# Altium PCB IPG.PcbDoc (part 10 of 10)
Units mm, origin at the board's own origin, x right, y up, seen from the top; angles counter-clockwise.
Board outline 69.6 x 90.73 mm, 10 copper layers (TOP, DHOR, DVERT, GND 1, POWER, GND 2, GND 3, AVERT, AHOR, BOT), stack 1.062 mm thick; 727 components, 391 nets, 2009 pads, 3077 vias.
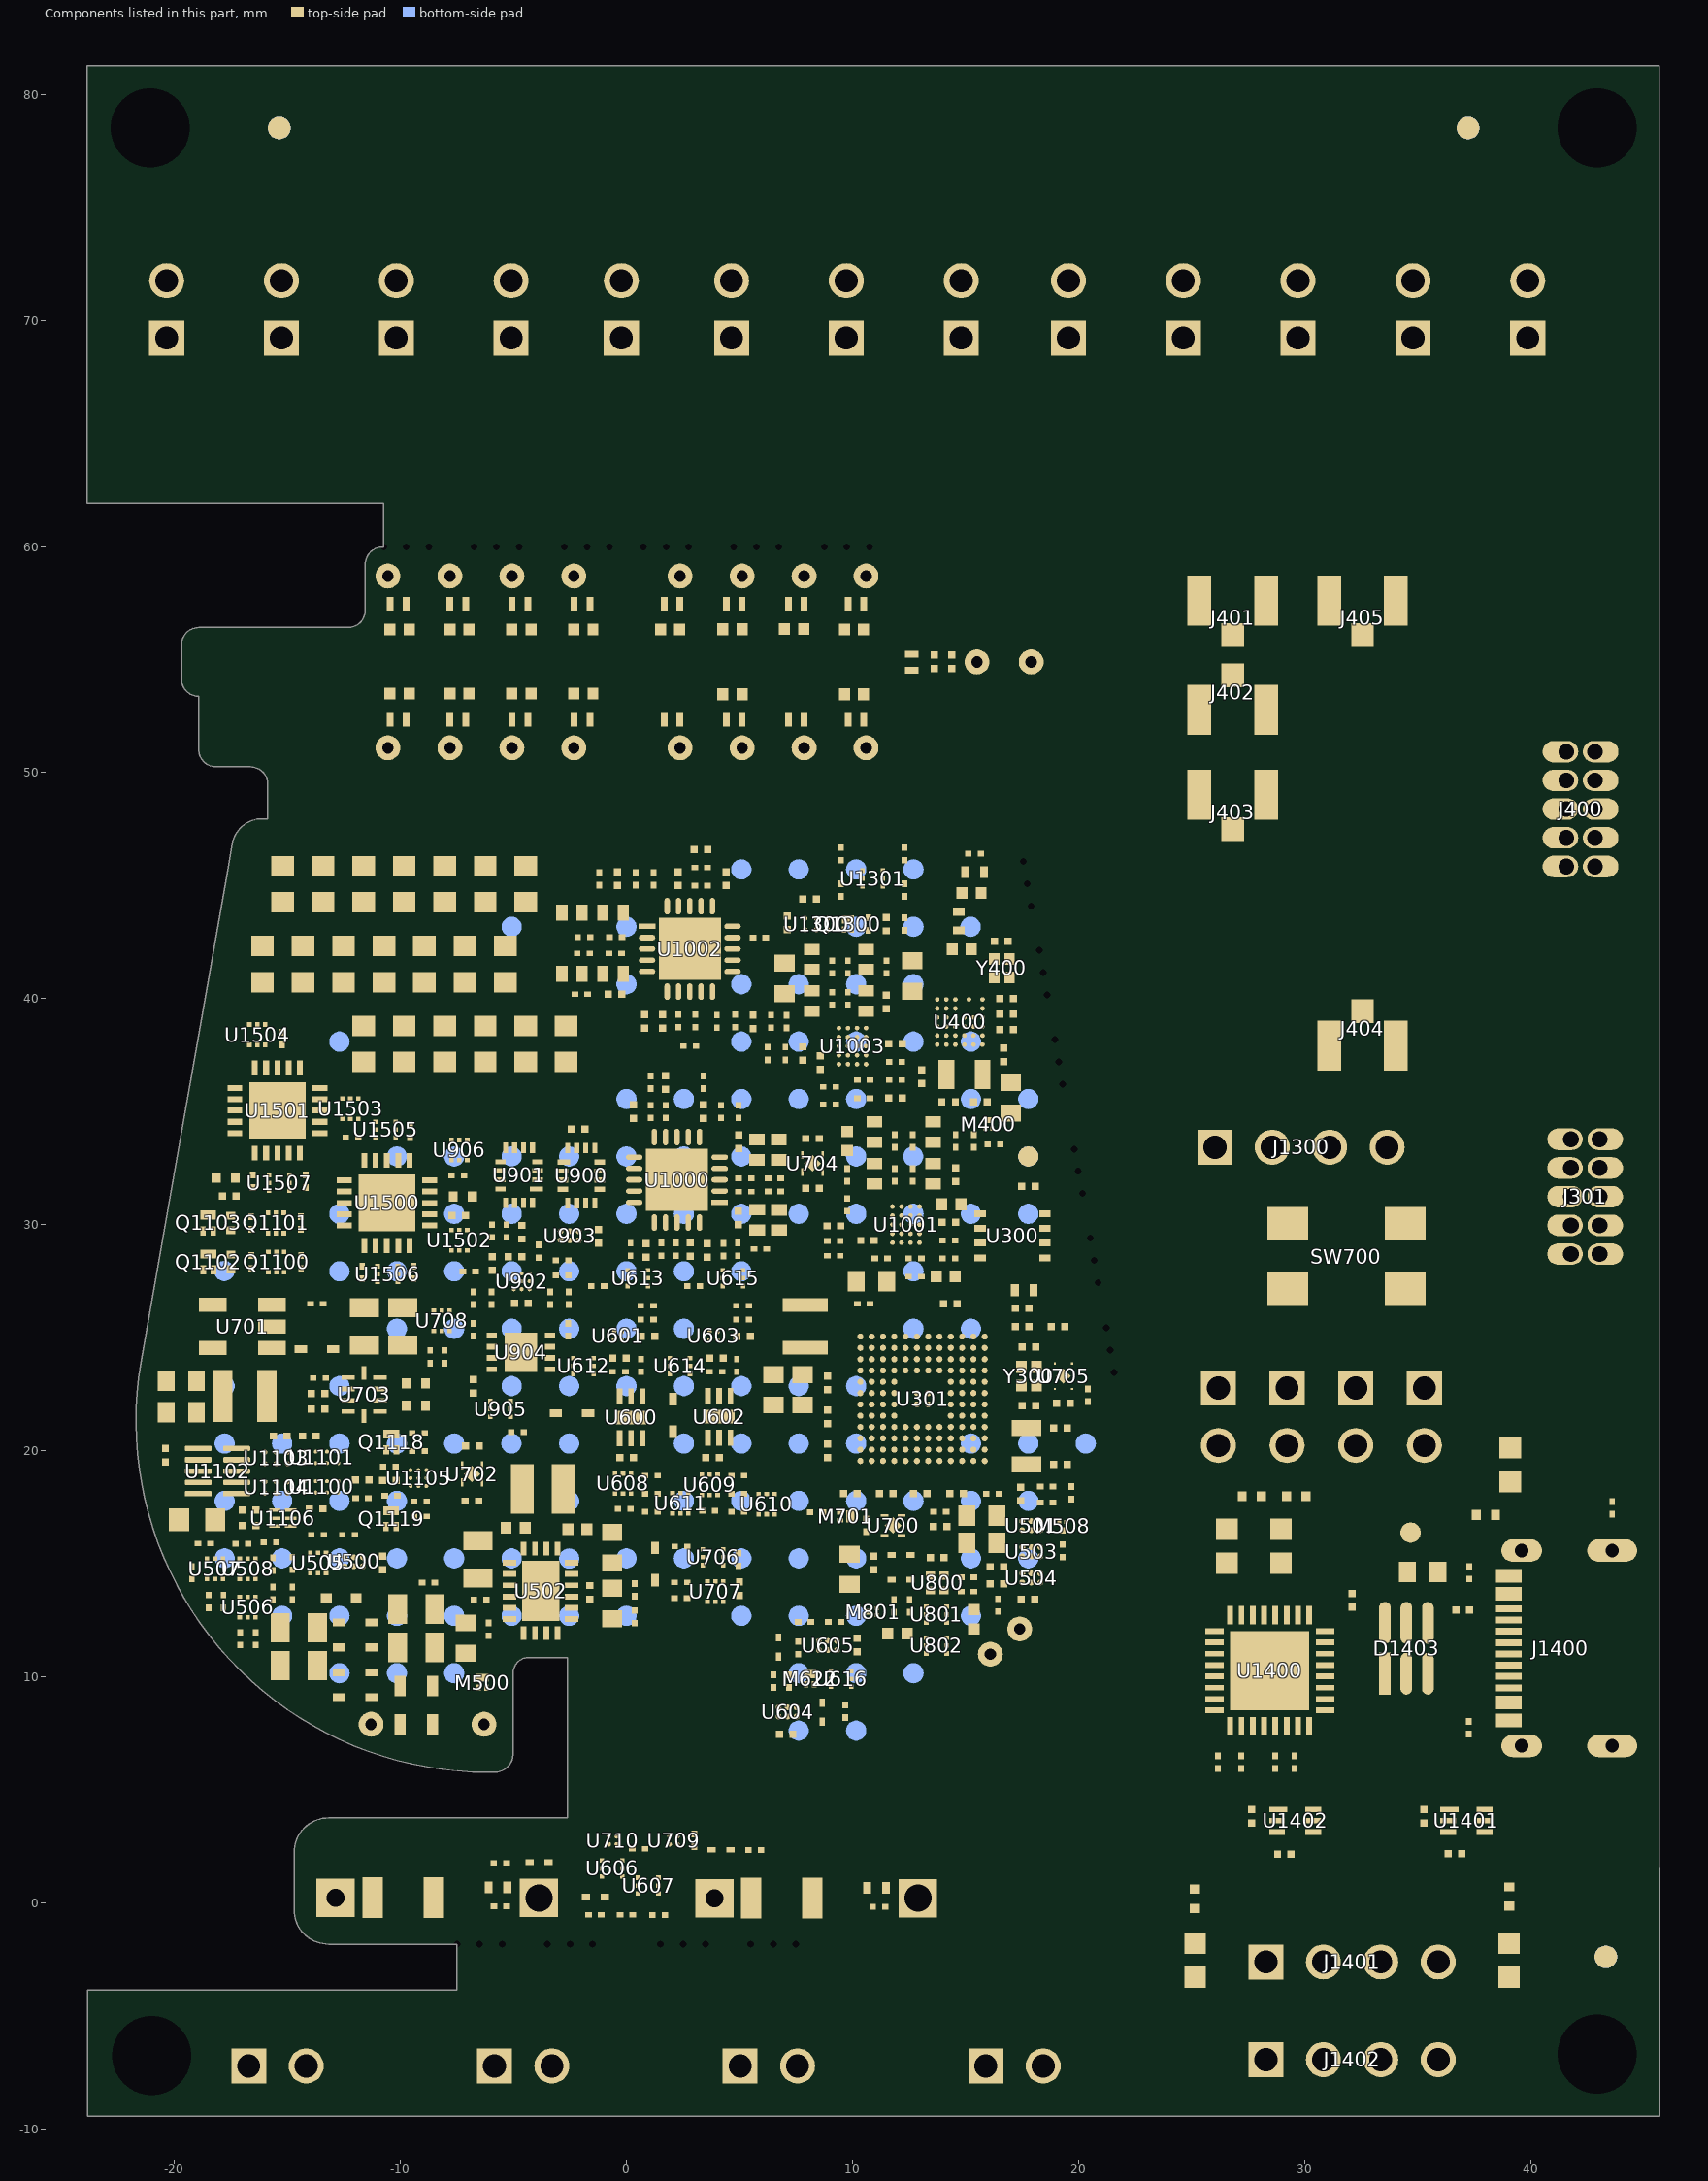
[diagram p18: the components of this part, seen from the top]

## Polygon pours and split planes (outlines as drawn) (continued)
+DVDD on TOP "+DVDD_L01_P304" (solid, pour order 304): 11.895,16.312 12.421,16.838 12.421,17.362 10.082,17.362 10.082,18.364 10.692,18.364 10.692,17.87 11.706,17.87 11.706,18.364 12.243,18.364 12.243,17.87 13.208,17.87 13.208,18.39 13.759,18.39 13.756,17.87 13.335,17.45 13.335,16.814 13.862,16.814 13.862,16.44 14.503,16.44 14.581,16.44 14.581,15.322 13.741,15.767 13.281,15.767 11.895,15.767
+VDDS on TOP "TOP-VDDS" (solid, pour order 298): -20.759,19.9 -20.1,19.9 -20.1,17.9 -18.3,17.9 -18.3,18.3 -19.7,18.3 -19.7,19.9 -18.3,19.9 -18.3,20.315 -20.041,20.315 -20.759,20.315
+HVOUT on TOP "TOP-NetC505_1" (solid, remove dead copper, pour order 272): -13.6,23.8 -8.941,23.8 -8.941,24.308 -8.429,24.308 -8.429,25.472 -9.123,25.472 -9.123,25.1 -13,25.1 -13,26.8 -13.6,26.8 -13.6,25.1
+VDDS on TOP "NONET_L-01_P-001" (solid, pour order 266): -5.842,19.074 -5.842,21.254 -6.833,21.254 -6.833,19.474 -6.433,19.074
+V_UNREG on TOP "NONET_L-01_P-001" (solid, pour order 254): -6.433,18.874 -5.842,18.874 -5.842,16.635 -6.833,16.635 -6.833,18.474
CHG1_VCC on TOP "NONET_L-01_P-001" (solid, pour order 242): -0.14,21 -0.14,18.8 -1.016,18.8 -1.016,21
CHG2_VCC on TOP "NONET_L-01_P-001" (solid, pour order 236): 3.8,21 3.8,20.117 3.607,19.939 3.607,19.406 3.5,19.253 3.5,18.745 2.845,18.745 2.845,21
VCC_CHG on TOP "NONET_L-01_P-001" (solid, pour order 219): -4.8,13.2 -7.95,13.2 -7.95,12.1 -4.8,12.1
+VBAT2F on TOP "NONET_L-01_P-001" (solid, pour order 206): 9.912,-0.862 9.912,1.309 5.817,1.309 5.811,3.179 11.068,3.179 11.068,-0.862
NetC1404_1 on TOP "NONET_L-01_P-001" (solid, remove dead copper, pour order 373): 34.694,-3.251 34.694,3.15 35.662,3.15 35.662,3.353 36.653,3.353 36.653,2.707 36.653,1.295 37.186,1.295 37.186,-3.251
NetC1406_2 on TOP "NONET_L-01_P-001" (solid, remove dead copper, pour order 372): 26.543,-3.251 26.543,3.15 28.118,3.15 28.118,3.353 29.108,3.353 29.108,2.707 29.108,-0.889 29.642,-0.889 29.642,-3.251
+VBUS on TOP "NONET_L-01_P-001" (solid, remove dead copper, pour order 371): 26.518,3.988 26.518,5.639 32.588,5.639 32.588,8.636 36.551,8.636 36.551,5.639 38.659,5.639 38.659,3.988
SW1_VCHG on TOP "NONET_L-01_P-001" (solid, pour order 339): -4.75,17.043 -4.742,15.257 -4.318,15.265 -4.318,16.104 -3.962,16.103 -3.962,17.043 -3.962,19.558 -5.258,19.558 -5.258,17.043
SW2_VCHG on TOP "NONET_L-01_P-001" (solid, pour order 338): -1.981,14.718 -2.722,14.718 -2.727,14.425 -1.448,14.425 -1.448,19.558 -3.454,19.558 -3.456,17.163 -2.083,17.163 -2.083,16.154 -1.981,16.154
BST2_VCHG on TOP "NONET_L-01_P-001" (solid, pour order 337): -2.788,14.935 -2.1,14.925 -2.125,15.175 -2.235,15.347 -2.235,16.967 -2.957,16.967 -2.957,16.154 -2.788,15.99
BST1_VCHG on TOP "NONET_L-01_P-001" (solid, pour order 336): -4.875,14.925 -4.875,16.967 -5.683,16.967 -5.683,15.94 -5.436,14.925
NetD700_2 on TOP "NONET_L-01_P-001" (solid, pour order 196): -16.9,21.178 -16.9,25.044 -14,25.044 -14,23.978 -15.2,23.978 -15.2,21.178
+V_UNREG on TOP "NONET_L-01_P-001" (solid, pour order 220): -1.295,3.48 2.041,3.48 2.041,2.769 -1.295,2.769
+HVIN on TOP "NONET_L-01_P-001" (solid, pour order 188): -17.1,25.044 -19.4,25.044 -19.4,21.178 -17.1,21.178
GND on AHOR "NONET_L-01_P-001" (solid, remove dead copper, pour order 381): 25.044,8.077 25.044,14.362 42.57,14.362 42.57,8.077
+VDDA on POWER "NONET_L-01_P-001" (solid, remove dead copper, pour order 356): 5.258,25.341 5.258,28.854 6.071,28.854 6.071,31.699 9.246,31.699 9.246,30.48 7.772,30.48 7.772,27.813 13.802,27.813 13.802,32.004 12.465,32.004 12.465,42.545 6.375,42.545 6.375,47.625 -0.445,47.625 -0.445,25.341
+DVDD on POWER "NONET_L-01_P-001" (solid, remove dead copper, pour order 359): 14.08,47.626 14.08,46.111 17.043,46.111 21.092,23.26 22.149,23.26 22.149,12.751 19.202,12.751 19.202,5.004 4.166,5.004 4.166,11.19 -4.267,11.19 -4.267,5.156 -21.565,5.156 -21.565,16.476 -3.277,16.476 -3.277,14.326 7.851,14.326 7.851,27.813 13.802,27.813 13.802,32.004 12.465,32.004 12.465,42.545 6.375,42.545 6.375,47.626
+VDDS on POWER "NONET_L-01_P-001" (solid, remove dead copper, pour order 352): -21.648,16.561 -21.648,21.263 -21.63,21.27 -5.726,21.27 -5.69,21.234 -5.69,18.085 -5.726,18.048 -7.291,18.048 -7.291,16.561 -7.352,16.561
+VIMP_PP on POWER "NONET_L-01_P-001" (solid, remove dead copper, pour order 355): -8.741,33.848 -8.741,47.626 -0.445,47.626 -0.445,29.466 -7.002,29.466 -7.002,29.312 -6.895,29.312 -6.895,33.848
+VCHG_RAIL on POWER "NONET_L-01_P-001" (solid, remove dead copper, pour order 351): 0.76,17.3 0.76,20.095 -3.785,20.095 -3.785,25.258 5.174,25.258 5.205,25.228 5.205,16.228 5.12,16.143 4.612,16.143 4.594,16.151 3.618,17.127 3.616,17.128 3.487,17.258
+V_UNREG on POWER "NONET_L-01_P-001" (solid, remove dead copper, pour order 348): -3.192,14.411 -3.192,16.587 -7.137,16.587 -7.137,17.882 -1.219,17.882 -1.219,15.581 4.256,15.581 5.241,16.681 5.258,28.854 6.071,28.854 6.071,31.699 9.246,31.699 9.246,30.48 7.769,30.48 7.769,14.411
+HVIN on POWER "NONET_L-01_P-001" (solid, remove dead copper, pour order 350): -5.588,18.059 -1.041,18.059 -1.041,15.672 4.612,15.672 4.612,16.114 3.52,17.206 0.675,17.206 0.675,20.015 -3.886,20.015 -3.886,23.159 -7.211,23.159 -7.211,25.044 -22.327,25.044 -22.327,21.366 -5.588,21.366
GND on POWER "|" (solid, pour order 397): -17.145,46.609 -17.145,47.625 -14.605,47.625 -14.605,46.609 -15.469,46.609
GND on POWER "GNDFlexBLE" (hatched 45Degree grid 0.508 track 0.203, pour order 393): 14.275,47.626 14.275,53.721 18.999,53.721 18.999,47.626 14.656,47.626
GND on POWER "|" (solid, pour order 394): 14.199,53.721 14.199,56.54 20.066,56.54 20.066,53.721 14.503,53.721
GND on POWER "|" (solid, pour order 392): 14.1,47.955 17.043,47.955 17.043,46.101 14.1,46.101
+VIMP_3V3 on POWER "NONET_L-01_P-001" (solid, remove dead copper, pour order 354): -7.14,23.211 -7.14,25.038 -6.894,25.038 -6.894,29.373 -0.445,29.373 -0.445,25.324 -3.682,25.324 -3.861,25.146 -3.861,23.211
+VPP on POWER "NONET_L-01_P-001" (solid, remove dead copper, pour order 353): -17.145,47.625 -17.145,46.609 -14.605,46.609 -14.605,47.625 -8.839,47.625 -8.839,33.757 -7.002,33.757 -7.002,25.124 -21.832,25.124 -21.882,25.175 -21.882,47.625
GND on DVERT "|" (solid, pour order 396): 15.505,56.769 20.142,56.769 20.142,53.442 15.505,53.442
ENCL on DVERT "ENCL_L03_P367" (solid, pour order 367): -16.593,59.497 15.505,59.497 15.505,49.767 -18.045,49.767 -19.22,50.941 -19.22,56.869
GND on GND 3 "NONET_L-01_P-001" (solid, remove dead copper, pour order 378): -21.565,5.156 -4.42,5.156 -4.42,11.227 5.004,11.227 5.004,5.004 19.202,5.004 19.202,12.751 22.149,12.751 22.149,23.26 21.092,23.26 17.043,46.111 17.043,47.626 -21.565,47.626 -21.565,16.535
GND on GND 3 "NONET_L-01_P-001" (solid, remove dead copper, pour order 364): -14.529,-1.295 -14.529,3.234 14.529,3.234 14.529,-1.295
GND on GND 3 "NONET_L-01_P-001" (solid, remove dead copper, pour order 376): -23.876,-9.449 -23.876,-4.183 24.154,-4.183 24.154,61.9 -23.876,61.9 -23.902,61.925 -23.902,81.28 -23.876,81.305 45.72,81.305 45.745,81.28 45.745,-9.449 45.72,-9.474
GND on GND 3 "GND_L07_P322" (solid, pour order 322): 14.233,53.721 14.233,56.09 19.355,56.09 19.355,53.721
GND on GND 3 "GND_L07_P321" (solid, pour order 321): 16.256,45.237 14.529,45.237 14.376,45.39 14.376,47.193 14.684,47.501 16.126,47.501 16.408,47.219 16.408,45.39
GND on GND 2 "NONET_L-01_P-001" (solid, remove dead copper, pour order 386): -21.565,5.156 -4.42,5.156 -4.42,11.227 5.004,11.227 5.004,5.004 19.202,5.004 19.202,12.751 22.149,12.751 22.149,23.26 21.092,23.26 17.043,46.111 17.043,47.626 -21.565,47.626 -21.565,16.535
GND on GND 2 "NONET_L-01_P-001" (solid, remove dead copper, pour order 369): -19.355,53.705 -12.319,53.705 -12.319,49.624 -11.971,49.276 11.455,49.276 12.319,50.14 12.319,53.705 20.218,53.705 20.218,59.512 20.193,59.538 -19.329,59.538 -19.355,59.512
GND on GND 2 "NONET_L-01_P-001" (solid, remove dead copper, pour order 384): -14.529,-1.295 -14.529,3.234 14.529,3.234 14.529,-1.295
GND on GND 2 "NONET_L-01_P-001" (solid, remove dead copper, pour order 385): -23.876,-9.449 -23.876,-4.183 24.154,-4.183 24.154,61.9 -23.876,61.9 -23.902,61.925 -23.902,81.28 -23.876,81.305 45.72,81.305 45.745,81.28 45.745,-9.449 45.72,-9.474
GND on BOT "NONET_L-01_P-001" (solid, remove dead copper, pour order 379): -21.565,5.156 -4.42,5.156 -4.42,11.227 5.004,11.227 5.004,5.004 19.202,5.004 19.202,12.751 22.149,12.751 22.149,23.26 21.092,23.26 17.043,46.111 17.043,47.626 -21.565,47.626 -21.565,16.535
GND on BOT "NONET_L-01_P-001" (solid, remove dead copper, pour order 390): -15.57,-1.27 -15.57,3.2 15.596,3.2 15.596,-1.27
GND on BOT "GND_L10_P380" (solid, remove dead copper, pour order 380): -16.68,59.493 17.819,59.493 19.202,58.11 19.202,51.117 17.893,49.808 -18.088,49.808 -19.68,51.399 -19.68,56.493
GND on BOT "NONET_L-01_P-001" (solid, remove dead copper, pour order 375): -23.876,-9.449 -23.876,-3.852 -23.851,-3.826 24.154,-3.826 24.154,61.9 -23.876,61.9 -23.902,61.925 -23.902,81.28 -23.876,81.305 45.72,81.305 45.745,81.28 45.745,-9.449 45.72,-9.474
GND on DHOR "|" (solid, pour order 395): 15.505,56.769 20.142,56.769 20.142,53.442 15.505,53.442
GND on DHOR "GND_L02_P391" (solid, remove dead copper, pour order 391): 23.853,46.071 18.051,46.071 18.398,44.104 23.853,44.104 23.853,35.783 35.208,35.783 35.203,59.537 23.853,59.537
GND on DHOR "GND_L02_P310" (solid, remove dead copper, pour order 310): 14.072,39.167 14.658,38.58 16.656,38.58 17.438,39.363 17.437,46.535 16.829,47.142 14.656,47.142 14.072,46.558
GND on DHOR "NONET_L-01_P-001" (solid, remove dead copper, pour order 382): 25.044,8.077 25.044,14.362 42.57,14.362 42.57,8.077
DEFIB_COMMON on DHOR "|" (solid, pour order 368): 10.871,56.226 13.469,56.226 13.469,53.644 10.871,53.644 10.871,52.12 -10.408,52.12 -10.402,57.785 10.871,57.785
GND on GND 1 "NONET_L-01_P-001" (solid, remove dead copper, pour order 389): -21.565,5.156 -4.42,5.156 -4.42,11.227 5.004,11.227 5.004,5.004 19.202,5.004 19.202,12.751 22.149,12.751 22.149,23.26 21.092,23.26 17.043,46.111 17.043,47.626 -21.565,47.626 -21.565,16.535
GND on GND 1 "NONET_L-01_P-001" (solid, remove dead copper, pour order 387): -14.529,-1.295 -14.529,3.234 14.529,3.234 14.529,-1.295
GND on GND 1 "NONET_L-01_P-001" (solid, remove dead copper, pour order 388): -23.876,-9.449 -23.876,-4.183 24.154,-4.183 24.154,61.9 -23.876,61.9 -23.902,61.925 -23.902,81.28 -23.876,81.305 45.72,81.305 45.745,81.28 45.745,-9.449 45.72,-9.474

## Keep-outs
Keep-Out Layer:
  lines w0.8: -10.75,59.98 -8.75,59.98 ; -7.5,-1.826 -5.5,-1.826 ; -6.75,59.98 -4.75,59.98 ; -3.5,-1.824 -1.5,-1.824 ; -2.75,59.982 -0.75,59.982 ; 0.75,59.98 2.75,59.98 ; 1.5,-1.826 3.5,-1.826 ; 4.75,59.977 6.75,59.977 ; 5.5,-1.829 7.5,-1.829 ; 8.747,59.98 10.747,59.98 ; 17.566,46.075 17.912,44.104 ; 18.272,42.141 18.619,40.17 ; 18.96,38.195 19.306,36.225 ; 19.822,33.349 20.168,31.379 ; 20.513,29.413 20.859,27.442 ; 21.23,25.439 21.429,24.308 21.482,24.009 21.577,23.468

## Silkscreen, mask and mechanical layers (free items; w line width, h text height)
Top Overlay:
  region: 42.494,37.516 43.192,38.214 43.89,37.516
  region: 42.609,20.724 43.307,21.422 44.005,20.724
  lines w0.05: 5.563,35.484 5.563,36.017 ; 42.494,37.516 43.89,37.516 43.192,38.214 42.494,37.516 ; 42.609,20.724 43.307,21.422 44.005,20.724 42.609,20.724
  lines w0.1: 24.486,50.952 29.134,50.952 29.134,59.436 24.486,59.436 24.486,50.952 ; 30.251,36.119 34.9,36.119 34.9,59.436 30.251,59.436 30.251,36.119
  lines w0.127: 42.291,38.386 42.285,39.394 42.291,40.402 42.285,41.417 42.285,42.419 42.285,43.427 ; 42.342,21.619 42.335,22.627 42.342,23.636 42.335,24.65 42.335,25.652 42.335,26.661 ; 44.018,39.394 40.564,39.394 ; 44.018,40.402 40.564,40.402 ; 44.018,41.411 40.564,41.423 ; 44.018,42.419 40.564,42.419 ; 44.069,22.627 40.615,22.627 ; 44.069,23.636 40.615,23.636 ; 44.069,24.644 40.615,24.657 ; 44.069,25.652 40.615,25.652 ; 40.564,39.394 40.564,38.386 44.018,38.386 44.018,39.414 44.018,40.506 44.018,41.408 44.018,42.386 44.018,43.427 42.285,43.427 ; 40.564,39.394 40.564,40.402 ; 40.564,40.402 40.564,41.423 ; 40.564,41.423 40.564,42.419 ; 40.564,42.419 40.564,43.427 42.285,43.427 ; 40.615,22.627 40.615,23.636 ; 40.615,22.627 40.615,21.619 44.069,21.619 44.069,22.647 44.069,23.74 44.069,24.641 44.069,25.619 44.069,26.661 42.335,26.661 ; 40.615,23.636 40.615,24.657 ; 40.615,24.657 40.615,25.652 ; 40.615,25.652 40.615,26.661 42.335,26.661
  lines w0.18: 24.257,46.406 24.257,59.69 35.204,59.69 35.204,35.865 29.972,35.865 29.972,36.576 29.972,38.837 29.972,43.866 29.972,45.517 29.972,45.796 29.972,46.406 24.257,46.406
  lines w0.25: 36.305,45.942 36.305,51.346 38.845,51.346 38.845,45.942 36.305,45.942 ; 36.533,28.997 36.533,34.077 39.073,34.077 39.073,28.997 36.533,28.997
  text "HORNET-IPG - Ver .VerMay..VerMin Rev .Rev" at -9.093,78.156 h1.52
  text "SN:.VerMay..VerMin..Rev-" at -11.628,75.616 h1.52
  text "CH1" at -21.628,65.782 h1.1
  text "CH2" at -16.732,65.782 h1.1
  text "CH3" at -11.652,65.782 h1.1
  text "CH4" at -6.572,65.782 h1.1
  text "CH5" at -1.492,65.782 h1.1
  text "CH6" at 3.182,65.782 h1.1
  text "CH9" at 8.262,65.782 h1.1
  text "CH10" at 12.884,65.782 h1.1
  text "CH13" at 17.634,65.782 h1.1
  text "CH14" at 22.714,65.782 h1.1
  text "CH15" at 27.783,65.782 h1.1
  text "CH16" at 32.874,65.782 h1.1
  text "ENCL" at 37.862,65.782 h1.1
  text "STIM1" at -22.197,64.307 h0.89
  text "STIM2" at -17.265,64.307 h0.89
  text "STIM3" at -12.185,64.307 h0.89
  text "STIM4" at -7.105,64.307 h0.89
  text "ENG+" at -1.655,64.307 h0.89
  text "ENG-" at 3.019,64.307 h0.89
  text "HR+" at 8.543,64.307 h0.89
  text "HR-" at 13.623,64.307 h0.89
  text "SCL" at 18.373,64.307 h0.89
  text "ACC" at 23.453,64.307 h0.89
  text "SDA" at 28.522,64.307 h0.89
  text "GND" at 33.613,64.307 h0.89
  text "RF" at 35.89,57.865 h1.27
  text "TESTING" at 35.89,56.109 h1.27
  text "JTAG" at 39.98,51.969 h1.27
  text "BLE" at 38.539,46.248 h1.52 r90
  text "RST" at 41.038,42.754 h0.33
  text "GND" at 42.74,42.754 h0.33
  text "NC" at 42.88,41.789 h0.33
  text "NC" at 41.178,41.764 h0.33
  text "NC" at 41.178,40.773 h0.33
  text "GND" at 42.714,40.773 h0.33
  text "CLK" at 40.987,39.757 h0.33
  text "GND" at 42.714,39.732 h0.33
  text "SWDIO" at 40.685,38.741 h0.33
  text "VDD" at 42.714,38.716 h0.33
  text "I2C" at 25.476,36.173 h1.27
  text "JTAG" at 39.9,35.255 h1.27
  text "SCL" at 25.398,35.155 h0.44
  text "SDA" at 27.938,35.155 h0.44
  text "VDD" at 30.478,35.155 h0.44
  text "GND" at 33.018,35.155 h0.44
  text "MCU" at 38.565,29.506 h1.52 r90
  text "MCU / RESET" at 26.786,26.174 h1.02 r90
  text "RST" at 41.089,25.988 h0.33
  text "GND" at 42.791,25.988 h0.33
  text "NC" at 42.93,25.022 h0.33
  text "NC" at 41.229,24.997 h0.33
  text "MCU UART" at 24.817,24.726 h0.76
  text "BLE UART" at 31.141,24.726 h0.76
  text "SWO" at 41.063,24.006 h0.33
  text "GND" at 42.765,24.006 h0.33
  text "CLK" at 41.038,22.99 h0.33
  text "GND" at 42.765,22.965 h0.33
  text "SWDIO" at 40.735,21.974 h0.33
  text "VDD" at 42.765,21.949 h0.33
  text "VBUS" at 35.636,15.799 h0.6
  text "-" at 4.243,2.1 h1.2 r180
  text "TOP" at 40.691,1.549 h1.52
  text "+" at 12.495,1.145 h1.2
  text "+" at -2.669,1.068 h1.2
  text "-" at -13.311,0.9 h1.2
  text "VBAT1R" at 28.245,-0.914 h0.51
  text "VBAT2R" at 33.452,-0.914 h0.51
  text "GND CONNECTOR" at 26.926,-5.207 h0.76
  text "VRECT" at -19.024,-5.321 h0.76
  text "GND" at -14.681,-5.321 h0.76
  text "VBAT1R" at -9.283,-5.321 h0.76
  text "GND" at -3.81,-5.321 h0.76
  text "VBAT2R" at 1.321,-5.321 h0.76
  text "GND" at 7.062,-5.321 h0.76
  text "VCHG_RAIL" at 11.317,-5.321 h0.76
  text "GND" at 18.568,-5.321 h0.76
Bottom Overlay:
  text "HORNET-IPG" at 4.723,55.147 h1
  text "Ver .VerMay..VerMin Rev .Rev" at 6.722,53.98 h1
  text "BOTTOM" at 39.546,-0.533 h1.52
M2_RigidBoard:
  circle w0.013: c15.505,54.897 r0.268
  circle w0.013: c7.855,51.097 r0.268
  circle w0.013: c2.355,58.697 r0.268
  circle w0.013: c7.855,58.697 r0.268
  circle w0.013: c5.105,58.697 r0.268
  circle w0.013: c-10.595,51.097 r0.268
  circle w0.013: c-2.345,51.097 r0.268
  circle w0.013: c-5.095,51.097 r0.268
  circle w0.013: c-7.845,51.097 r0.268
  circle w0.013: c2.355,51.097 r0.268
  circle w0.013: c5.105,51.097 r0.268
  circle w0.013: c-2.345,58.697 r0.268
  circle w0.013: c-5.095,58.697 r0.268
  circle w0.013: c-7.845,58.697 r0.268
  circle w0.013: c-10.595,58.697 r0.268
  circle w0.013: c17.905,54.897 r0.268
  circle w0.013: c10.605,58.697 r0.268
  circle w0.013: c10.605,51.097 r0.268
  circle w0.013: c7.855,51.097 r0.268
  circle w0.013: c2.355,58.697 r0.268
  circle w0.013: c7.855,58.697 r0.268
  circle w0.013: c5.105,58.697 r0.268
  circle w0.013: c-10.595,51.097 r0.268
  circle w0.013: c-2.345,51.097 r0.268
  circle w0.013: c-5.095,51.097 r0.268
  circle w0.013: c-7.845,51.097 r0.268
  circle w0.013: c2.355,51.097 r0.268
  circle w0.013: c5.105,51.097 r0.268
  circle w0.013: c-2.345,58.697 r0.268
  circle w0.013: c-5.095,58.697 r0.268
  circle w0.013: c-7.845,58.697 r0.268
  circle w0.013: c-10.595,58.697 r0.268
  circle w0.013: c17.905,54.897 r0.268
  circle w0.013: c10.605,58.697 r0.268
  circle w0.013: c10.605,51.097 r0.268
  circle w0.013: c15.505,54.897 r0.268
  circle w0.127: c12.879,0.221 r0.303
  circle w0.127: c-3.875,0.221 r0.456
  circle w0.127: c-12.879,0.221 r0.303
  circle w0.127: c-12.879,0.221 r0.303
  circle w0.127: c-3.875,0.221 r0.456
  circle w0.127: c12.879,0.221 r0.303
  lines w0.127: -19.665,53.986 ccw(c-18.918,54.135) -18.918,53.373 -12.314,53.373 cw(c-12.315,52.61) -11.552,52.611 -11.552,50.579 ccw(c-10.79,50.579) -10.79,49.817 10.8,49.817 ccw(c10.801,50.579) 11.562,50.579 11.562,52.611 cw(c12.325,52.61) 12.324,53.373 18.928,53.373 ccw(c18.929,54.135) 19.676,53.986 19.675,55.809 ccw(c18.927,55.658) 18.928,56.421 12.324,56.421 cw(c12.324,57.183) 11.562,57.183 11.562,59.215 ccw(c10.799,59.214) 10.8,59.977 -9.817,59.977 ; -19.665,53.991 -19.665,55.809 cw(c-18.917,55.658) -18.918,56.421 -12.314,56.421 ccw(c-12.313,57.183) -11.552,57.183 -11.552,59.215 cw(c-10.789,59.214) -10.79,59.977 ; -5.355,-1.829 13.182,-1.829 ccw(c13.183,-0.306) 14.706,-0.306 ; -5.332,-1.829 -13.182,-1.829 cw(c-13.183,-0.306) -14.699,-0.455 cw(c-12.055,-0.241) -14.706,-0.155 -14.706,0.392 cw(c3.298,0.542) -14.706,0.692 -14.706,1.238 cw(c3.372,1.388) -14.706,1.538 -14.706,2.085 cw(c-12.055,2.171) -14.699,2.385 cw(c-13.183,2.236) -13.182,3.759 13.182,3.759 cw(c13.183,2.236) 14.706,2.236 ; 14.706,2.235 14.706,-0.316 ; 21.425,23.879 cw(c6.142,21.336) 6.142,5.842 5.842,5.842 cw(c5.842,6.604) 5.08,6.604 5.08,10.16 ccw(c4.318,10.16) 4.318,10.922 -4.318,10.922 ccw(c-4.318,10.16) -5.08,10.16 -5.08,6.604 cw(c-5.842,6.604) -5.842,5.842 -6.142,5.842 cw(c-6.142,21.336) -21.425,23.879 -19.875,32.675 -18.87,38.374 -17.583,45.675 -17.377,46.844 cw(c-16.126,46.623) -16.126,47.893 16.126,47.893 cw(c16.126,46.623) 17.377,46.844 17.583,45.675 18.871,38.374 19.875,32.675 21.449,23.737 ; 14.706,-0.316 14.706,-0.316
M3_FlexOnly:
  lines w0.127: -15.886,47.893 -12.319,47.893 -12.319,53.373 -18.923,53.373 -18.923,51.021 ccw(c-18.162,51.02) -18.161,50.259 -16.637,50.259 cw(c-16.638,49.496) -15.875,49.497 -15.875,47.893 ; -2.603,3.759 -2.603,10.922 2.604,10.922 2.604,3.759 -2.603,3.759 ; 12.319,47.893 15.875,47.893 15.875,49.497 cw(c16.638,49.496) 16.637,50.259 18.161,50.259 ccw(c18.162,51.02) 18.923,51.021 18.923,53.373 12.319,53.373 12.319,47.893
M4_RigidRail:
  lines w0.127: -23.854,61.925 -10.742,61.925 -10.742,59.977 -8.75,59.977 ; -23.845,61.925 -23.845,81.28 45.725,81.28 45.725,22.953 45.725,9.4 45.725,6.755 45.725,3.465 ; 8.755,59.98 10.755,59.98 ; 8.803,59.977 8.75,59.977 8.75,61.925 6.747,61.925 6.747,59.982 4.753,59.982 4.747,59.988 4.747,61.925 2.747,61.925 2.747,59.977 0.755,59.977 0.753,59.977 0.753,61.925 -0.745,61.925 ; 10.747,59.979 10.747,61.925 23.859,61.925 23.859,53.986 23.859,46.071 17.526,46.071 ; 17.571,46.075 17.93,44.104 23.853,44.104 23.853,42.23 23.853,42.139 18.277,42.139 ; 18.278,42.141 18.277,42.139 ; 18.552,40.211 18.617,40.211 18.633,40.211 18.674,40.17 ; 20.168,31.379 19.827,33.35 23.853,33.35 23.853,36.225 19.311,36.225 18.971,38.202 23.853,38.202 23.853,40.17 18.624,40.17 18.277,42.139 ; 20.174,31.379 23.853,31.379 23.853,29.408 ; 23.858,29.408 20.517,29.408 20.867,27.442 23.759,27.442 23.854,27.442 23.84,25.458 21.216,25.458 21.556,23.484 23.859,23.484 23.859,2.235 23.859,-0.305 23.859,-3.852 7.503,-3.852 7.503,-1.829 7.505,-1.829 7.505,-1.826 5.505,-1.826 5.505,-3.852 3.503,-3.852 3.503,-1.829 ; 45.725,3.636 45.725,-9.449 17.725,-9.449 12.225,-9.449 0.191,-9.449 -23.845,-9.449 -23.845,-3.852 -7.492,-3.852 -7.492,-1.829 -5.495,-1.829 -5.495,-3.852 -3.492,-3.852 ; -8.75,59.977 -8.75,59.977 ; -8.75,59.977 -8.75,61.925 -6.747,61.925 -6.742,61.925 -6.742,59.98 -4.75,59.98 -4.75,59.977 -4.75,61.925 -2.747,61.925 -2.747,61.92 -2.745,61.92 -2.745,59.982 -0.745,59.982 -0.745,61.925 ; -3.492,-3.852 -3.492,-3.852 ; -3.492,-3.852 -3.495,-3.852 -3.495,-1.824 -1.495,-1.824 -1.495,-3.852 1.505,-3.852 ; -0.745,61.925 -0.745,61.925 ; 1.505,-3.852 1.505,-3.852 ; 1.505,-3.852 1.505,-1.829 3.503,-1.829 ; 3.503,-1.829 3.503,-1.829 ; 25.037,59.987 34.398,59.987 34.398,61.925 24.848,61.925 24.848,59.987 25.037,59.987 ; 25.037,59.987 25.037,59.987 ; 35.588,59.987 35.399,59.987 35.399,61.925 44.949,61.925 44.949,59.986 35.588,59.986 ; 35.588,59.986 35.588,59.987 ; 21.92,-8.452 23.704,-8.452 23.859,-8.452 23.859,-4.852 21.92,-4.852 21.92,-8.452
Sheet:
  circle w0.127: c-12.879,0.221 r0.303
  circle w0.127: c-12.879,0.221 r0.303
  circle w0.127: c-3.875,0.221 r0.456
  circle w0.127: c-3.875,0.221 r0.456
  circle w0.127: c12.879,0.221 r0.303
  circle w0.127: c12.879,0.221 r0.303